# KiCad board Smart LED WS2812B Ring7.kicad_pcb (continued)
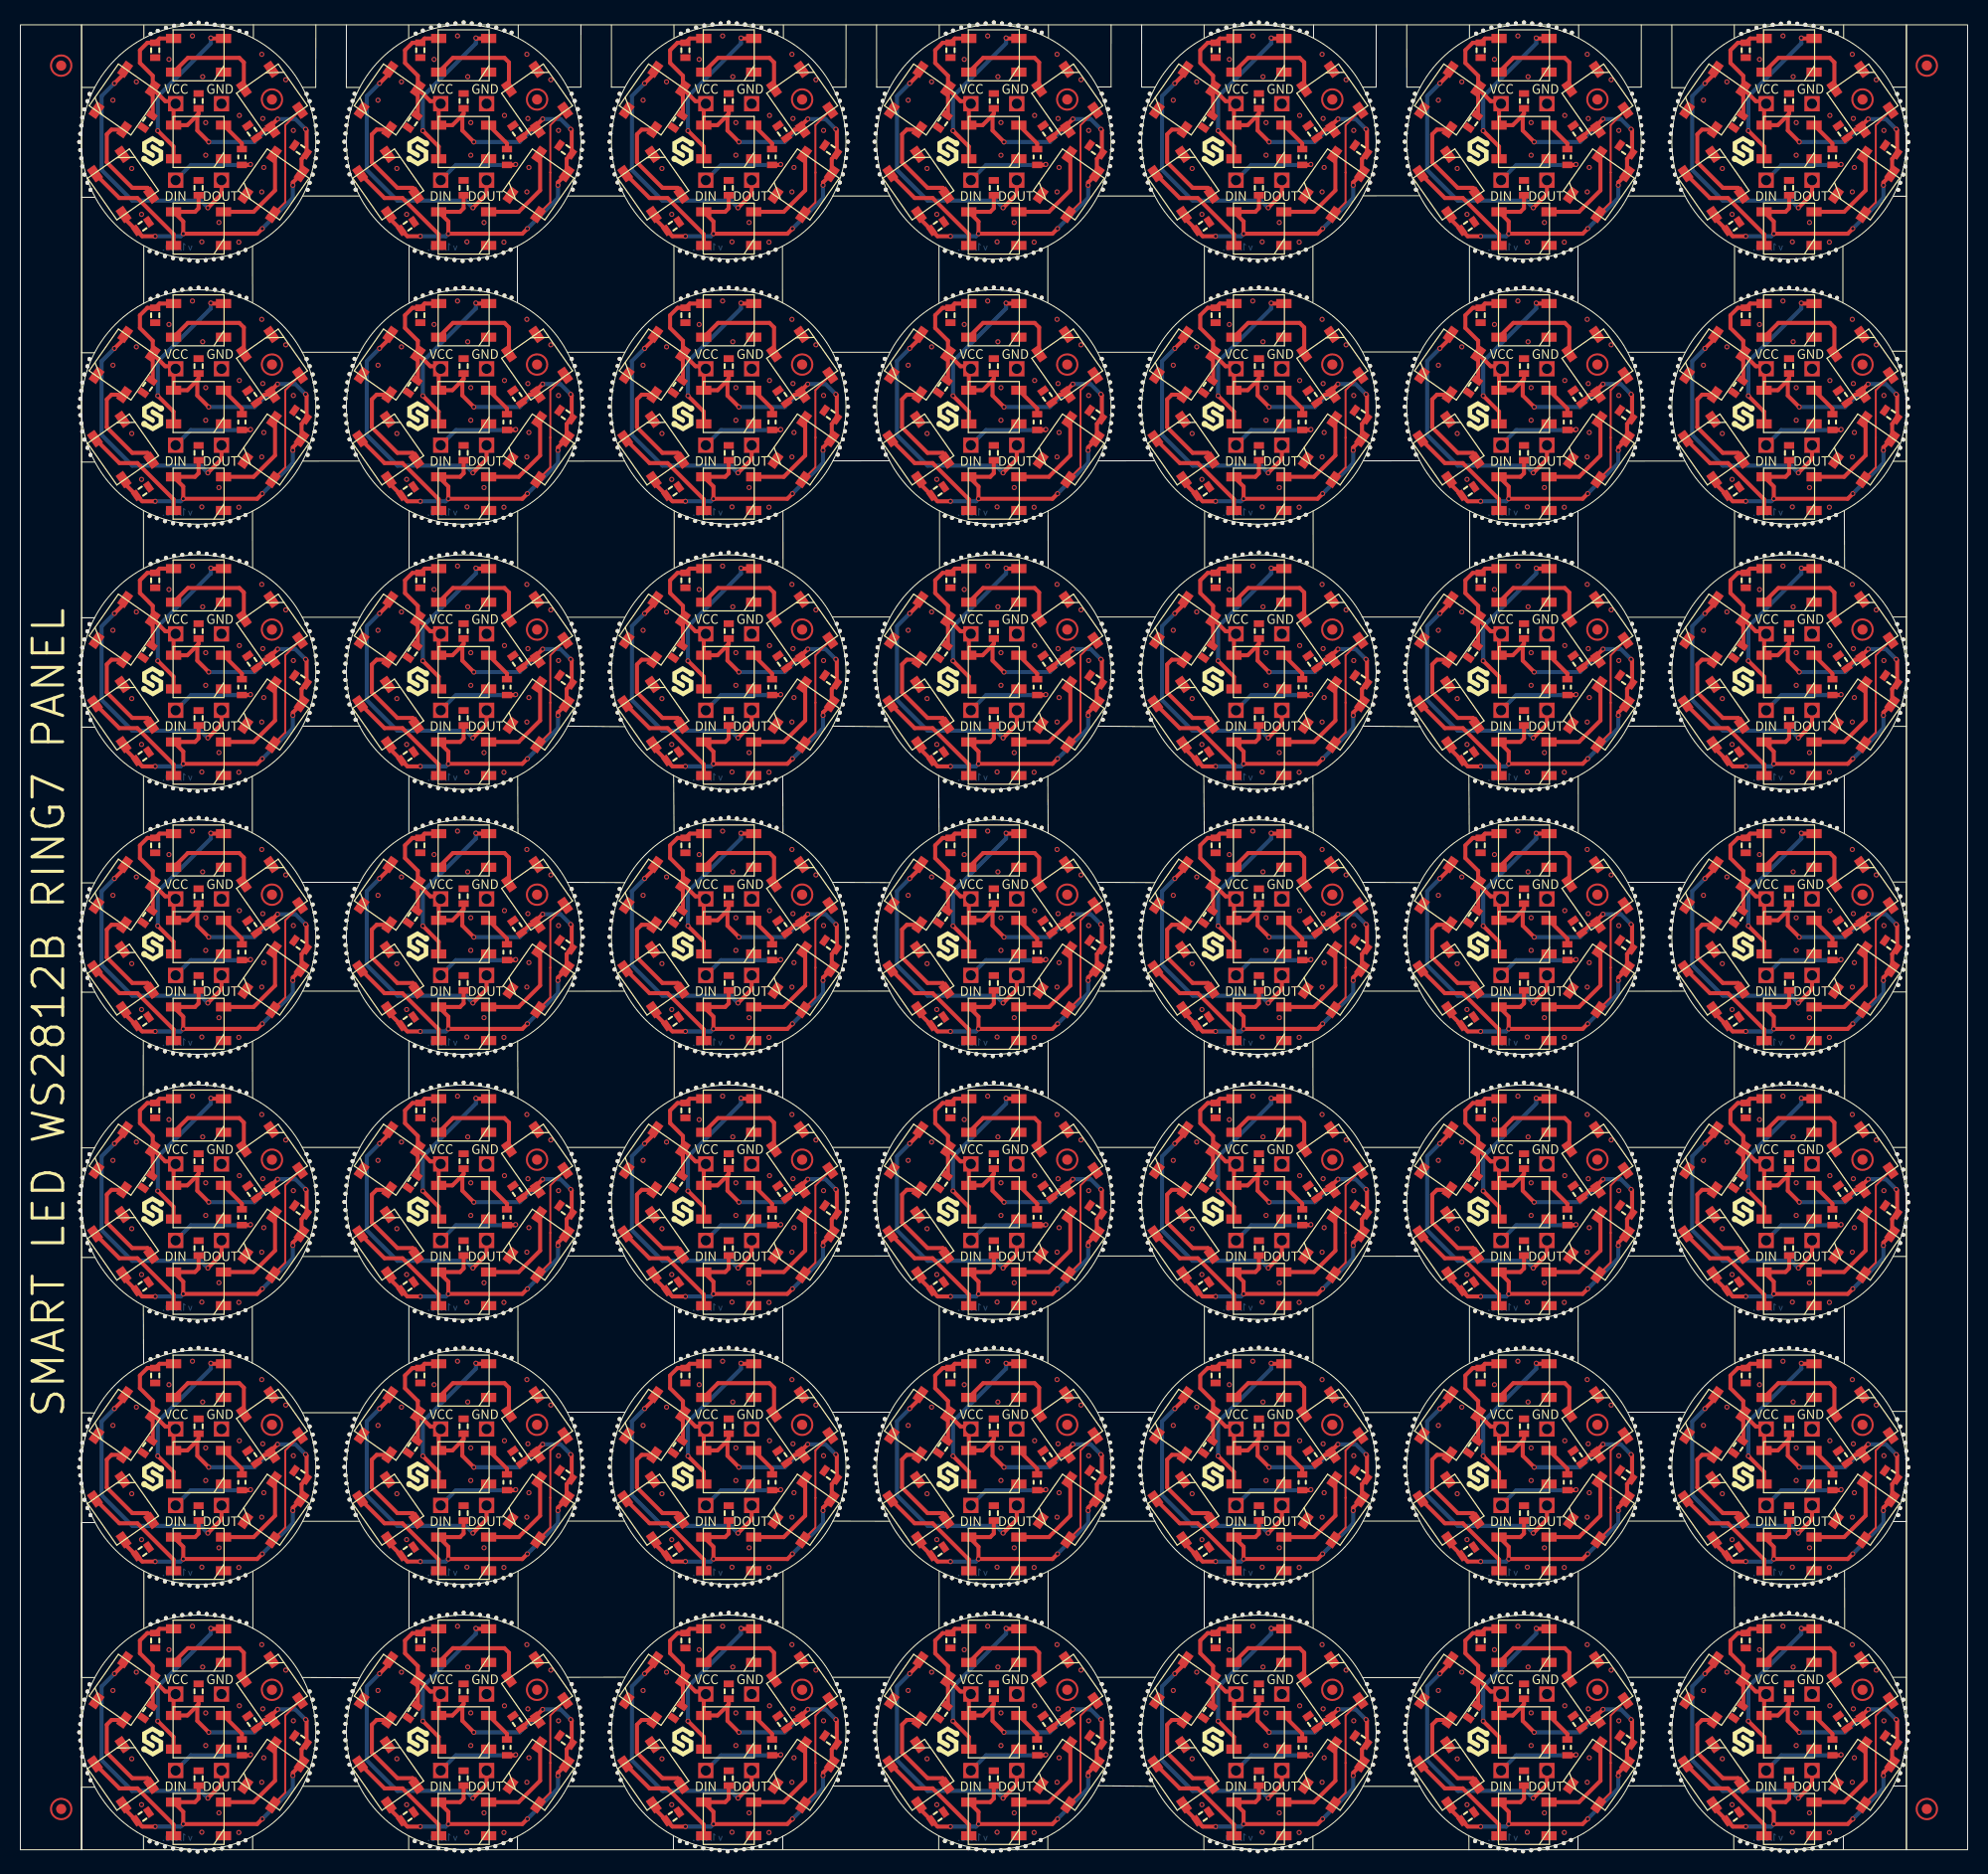
[diagram p0: board, top side]
## Placement (name value [footprint] x y rotation side) (continued)
LED7#5  WS2812B  [WS2812B LED#2]  88.22 15.7 235 top
LED7#6  WS2812B  [WS2812B LED#2]  10.22 119.7 235 top
LED7#7  WS2812B  [WS2812B LED#2]  166.22 145.7 235 top
LED7#8  WS2812B  [WS2812B LED#2]  88.22 145.7 235 top
LED7#9  WS2812B  [WS2812B LED#2]  88.22 67.7 235 top
LED7#10  WS2812B  [WS2812B LED#2]  10.22 15.7 235 top
LED7#11  WS2812B  [WS2812B LED#2]  166.22 119.7 235 top
LED7#12  WS2812B  [WS2812B LED#2]  140.22 41.7 235 top
LED7#13  WS2812B  [WS2812B LED#2]  62.22 15.7 235 top
LED7#14  WS2812B  [WS2812B LED#2]  140.22 119.7 235 top
LED7#15  WS2812B  [WS2812B LED#2]  140.22 171.7 235 top
LED7#16  WS2812B  [WS2812B LED#2]  36.22 119.7 235 top
LED7#17  WS2812B  [WS2812B LED#2]  10.22 145.7 235 top
LED7#18  WS2812B  [WS2812B LED#2]  166.22 15.7 235 top
LED7#19  WS2812B  [WS2812B LED#2]  10.22 171.7 235 top
LED7#20  WS2812B  [WS2812B LED#2]  114.22 93.7 235 top
LED7#21  WS2812B  [WS2812B LED#2]  140.22 15.7 235 top
LED7#22  WS2812B  [WS2812B LED#2]  36.22 15.7 235 top
LED7#23  WS2812B  [WS2812B LED#2]  114.22 145.7 235 top
LED7#24  WS2812B  [WS2812B LED#2]  166.22 93.7 235 top
LED7#25  WS2812B  [WS2812B LED#2]  10.22 93.7 235 top
LED7#26  WS2812B  [WS2812B LED#2]  62.22 93.7 235 top
LED7#27  WS2812B  [WS2812B LED#2]  88.22 93.7 235 top
LED7#28  WS2812B  [WS2812B LED#2]  140.22 93.7 235 top
LED7#29  WS2812B  [WS2812B LED#2]  88.22 119.7 235 top
LED7#30  WS2812B  [WS2812B LED#2]  140.22 145.7 235 top
LED7#31  WS2812B  [WS2812B LED#2]  62.22 119.7 235 top
LED7#32  WS2812B  [WS2812B LED#2]  62.22 171.7 235 top
LED7#33  WS2812B  [WS2812B LED#2]  114.22 15.7 235 top
LED7#34  WS2812B  [WS2812B LED#2]  166.22 67.7 235 top
LED7#35  WS2812B  [WS2812B LED#2]  62.22 67.7 235 top
LED7#36  WS2812B  [WS2812B LED#2]  10.22 41.7 235 top
LED7#37  WS2812B  [WS2812B LED#2]  114.22 119.7 235 top
LED7#38  WS2812B  [WS2812B LED#2]  10.22 67.7 235 top
LED7#39  WS2812B  [WS2812B LED#2]  62.22 145.7 235 top
LED7#40  WS2812B  [WS2812B LED#2]  62.22 41.7 235 top
LED7#41  WS2812B  [WS2812B LED#2]  36.22 67.7 235 top
LED7#42  WS2812B  [WS2812B LED#2]  114.22 67.7 235 top
LED7#43  WS2812B  [WS2812B LED#2]  114.22 41.7 235 top
LED7#44  WS2812B  [WS2812B LED#2]  88.22 41.7 235 top
LED7#45  WS2812B  [WS2812B LED#2]  36.22 93.7 235 top
LED7#46  WS2812B  [WS2812B LED#2]  36.22 41.7 235 top
LED7#47  WS2812B  [WS2812B LED#2]  36.22 171.7 235 top
LED7#48  WS2812B  [WS2812B LED#2]  36.22 145.7 235 top
LED7#49  WS2812B  [WS2812B LED#2]  166.22 171.7 235 top
PAD1  -  [PAD_2x1.5]  149.72 15.53 180 bottom
PAD1#2  -  [PAD_2x1.5]  123.72 119.53 180 bottom
PAD1#3  -  [PAD_2x1.5]  175.72 145.53 180 bottom
PAD1#4  -  [PAD_2x1.5]  19.72 15.53 180 bottom
PAD1#5  -  [PAD_2x1.5]  19.72 67.53 180 bottom
PAD1#6  -  [PAD_2x1.5]  175.72 67.53 180 bottom
PAD1#7  -  [PAD_2x1.5]  71.72 119.53 180 bottom
PAD1#8  -  [PAD_2x1.5]  175.72 93.53 180 bottom
PAD1#9  -  [PAD_2x1.5]  19.72 171.53 180 bottom
PAD1#10  -  [PAD_2x1.5]  149.72 145.53 180 bottom
PAD1#11  -  [PAD_2x1.5]  123.72 171.53 180 bottom
PAD1#12  -  [PAD_2x1.5]  97.72 171.53 180 bottom
PAD1#13  -  [PAD_2x1.5]  45.72 67.53 180 bottom
PAD1#14  -  [PAD_2x1.5]  45.72 15.53 180 bottom
PAD1#15  -  [PAD_2x1.5]  71.72 145.53 180 bottom
PAD1#16  -  [PAD_2x1.5]  45.72 93.53 180 bottom
PAD1#17  -  [PAD_2x1.5]  97.72 67.53 180 bottom
PAD1#18  -  [PAD_2x1.5]  175.72 119.53 180 bottom
PAD1#19  -  [PAD_2x1.5]  71.72 171.53 180 bottom
PAD1#20  -  [PAD_2x1.5]  71.72 15.53 180 bottom
PAD1#21  -  [PAD_2x1.5]  19.72 119.53 180 bottom
PAD1#22  -  [PAD_2x1.5]  175.72 171.53 180 bottom
PAD1#23  -  [PAD_2x1.5]  123.72 15.53 180 bottom
PAD1#24  -  [PAD_2x1.5]  19.72 93.53 180 bottom
PAD1#25  -  [PAD_2x1.5]  149.72 171.53 180 bottom
PAD1#26  -  [PAD_2x1.5]  45.72 145.53 180 bottom
PAD1#27  -  [PAD_2x1.5]  19.72 145.53 180 bottom
PAD1#28  -  [PAD_2x1.5]  97.72 145.53 180 bottom
PAD1#29  -  [PAD_2x1.5]  45.72 171.53 180 bottom
PAD1#30  -  [PAD_2x1.5]  71.72 67.53 180 bottom
PAD1#31  -  [PAD_2x1.5]  45.72 119.53 180 bottom
PAD1#32  -  [PAD_2x1.5]  175.72 41.53 180 bottom
PAD1#33  -  [PAD_2x1.5]  149.72 41.53 180 bottom
PAD1#34  -  [PAD_2x1.5]  97.72 93.53 180 bottom
PAD1#35  -  [PAD_2x1.5]  19.72 41.53 180 bottom
PAD1#36  -  [PAD_2x1.5]  71.72 41.53 180 bottom
PAD1#37  -  [PAD_2x1.5]  123.72 41.53 180 bottom
PAD1#38  -  [PAD_2x1.5]  149.72 119.53 180 bottom
PAD1#39  -  [PAD_2x1.5]  123.72 93.53 180 bottom
PAD1#40  -  [PAD_2x1.5]  97.72 41.53 180 bottom
PAD1#41  -  [PAD_2x1.5]  123.72 145.53 180 bottom
PAD1#42  -  [PAD_2x1.5]  123.72 67.53 180 bottom
PAD1#43  -  [PAD_2x1.5]  71.72 93.53 180 bottom
PAD1#44  -  [PAD_2x1.5]  97.72 15.53 180 bottom
PAD1#45  -  [PAD_2x1.5]  45.72 41.53 180 bottom
PAD1#46  -  [PAD_2x1.5]  175.72 15.53 180 bottom
PAD1#47  -  [PAD_2x1.5]  97.72 119.53 180 bottom
PAD1#48  -  [PAD_2x1.5]  149.72 93.53 180 bottom
PAD1#49  -  [PAD_2x1.5]  149.72 67.53 180 bottom
PAD2  PAD_2x1.5  [PAD_2x1.5#2]  67.22 111.53 0 top
PAD2#2  PAD_2x1.5  [PAD_2x1.5#2]  15.22 7.53 0 top
PAD2#3  PAD_2x1.5  [PAD_2x1.5#2]  41.22 163.53 0 top
PAD2#4  PAD_2x1.5  [PAD_2x1.5#2]  67.22 85.53 0 top
PAD2#5  PAD_2x1.5  [PAD_2x1.5#2]  67.22 163.53 0 top
PAD2#6  PAD_2x1.5  [PAD_2x1.5#2]  15.22 59.53 0 top
PAD2#7  PAD_2x1.5  [PAD_2x1.5#2]  41.22 137.53 0 top
PAD2#8  PAD_2x1.5  [PAD_2x1.5#2]  93.22 33.53 0 top
PAD2#9  PAD_2x1.5  [PAD_2x1.5#2]  145.22 7.53 0 top
PAD2#10  PAD_2x1.5  [PAD_2x1.5#2]  93.22 7.53 0 top
PAD2#11  PAD_2x1.5  [PAD_2x1.5#2]  15.22 111.53 0 top
PAD2#12  PAD_2x1.5  [PAD_2x1.5#2]  145.22 137.53 0 top
PAD2#13  PAD_2x1.5  [PAD_2x1.5#2]  67.22 7.53 0 top
PAD2#14  PAD_2x1.5  [PAD_2x1.5#2]  119.22 33.53 0 top
PAD2#15  PAD_2x1.5  [PAD_2x1.5#2]  41.22 59.53 0 top
PAD2#16  PAD_2x1.5  [PAD_2x1.5#2]  171.22 7.53 0 top
PAD2#17  PAD_2x1.5  [PAD_2x1.5#2]  15.22 85.53 0 top
PAD2#18  PAD_2x1.5  [PAD_2x1.5#2]  93.22 85.53 0 top
PAD2#19  PAD_2x1.5  [PAD_2x1.5#2]  145.22 33.53 0 top
PAD2#20  PAD_2x1.5  [PAD_2x1.5#2]  93.22 59.53 0 top
PAD2#21  PAD_2x1.5  [PAD_2x1.5#2]  119.22 85.53 0 top
PAD2#22  PAD_2x1.5  [PAD_2x1.5#2]  93.22 163.53 0 top
PAD2#23  PAD_2x1.5  [PAD_2x1.5#2]  15.22 163.53 0 top
PAD2#24  PAD_2x1.5  [PAD_2x1.5#2]  119.22 137.53 0 top
PAD2#25  PAD_2x1.5  [PAD_2x1.5#2]  171.22 33.53 0 top
PAD2#26  PAD_2x1.5  [PAD_2x1.5#2]  171.22 59.53 0 top
PAD2#27  PAD_2x1.5  [PAD_2x1.5#2]  145.22 163.53 0 top
PAD2#28  PAD_2x1.5  [PAD_2x1.5#2]  145.22 111.53 0 top
PAD2#29  PAD_2x1.5  [PAD_2x1.5#2]  67.22 137.53 0 top
PAD2#30  PAD_2x1.5  [PAD_2x1.5#2]  41.22 33.53 0 top
PAD2#31  PAD_2x1.5  [PAD_2x1.5#2]  41.22 111.53 0 top
PAD2#32  PAD_2x1.5  [PAD_2x1.5#2]  93.22 111.53 0 top
PAD2#33  PAD_2x1.5  [PAD_2x1.5#2]  119.22 7.53 0 top
PAD2#34  PAD_2x1.5  [PAD_2x1.5#2]  119.22 111.53 0 top
PAD2#35  PAD_2x1.5  [PAD_2x1.5#2]  15.22 33.53 0 top
PAD2#36  PAD_2x1.5  [PAD_2x1.5#2]  145.22 59.53 0 top
PAD2#37  PAD_2x1.5  [PAD_2x1.5#2]  171.22 111.53 0 top
PAD2#38  PAD_2x1.5  [PAD_2x1.5#2]  41.22 85.53 0 top
PAD2#39  PAD_2x1.5  [PAD_2x1.5#2]  67.22 33.53 0 top
PAD2#40  PAD_2x1.5  [PAD_2x1.5#2]  15.22 137.53 0 top
PAD2#41  PAD_2x1.5  [PAD_2x1.5#2]  145.22 85.53 0 top
PAD2#42  PAD_2x1.5  [PAD_2x1.5#2]  119.22 59.53 0 top
PAD2#43  PAD_2x1.5  [PAD_2x1.5#2]  93.22 137.53 0 top
PAD2#44  PAD_2x1.5  [PAD_2x1.5#2]  119.22 163.53 0 top
PAD2#45  PAD_2x1.5  [PAD_2x1.5#2]  171.22 163.53 0 top
PAD2#46  PAD_2x1.5  [PAD_2x1.5#2]  171.22 137.53 0 top
PAD2#47  PAD_2x1.5  [PAD_2x1.5#2]  171.22 85.53 0 top
PAD2#48  PAD_2x1.5  [PAD_2x1.5#2]  41.22 7.53 0 top
PAD2#49  PAD_2x1.5  [PAD_2x1.5#2]  67.22 59.53 0 top
PAD3  -  [PAD_2x1.5]  93.22 41.53 0 top
PAD3#2  -  [PAD_2x1.5]  171.22 93.53 0 top
PAD3#3  -  [PAD_2x1.5]  15.22 119.53 0 top
PAD3#4  -  [PAD_2x1.5]  15.22 171.53 0 top
PAD3#5  -  [PAD_2x1.5]  41.22 41.53 0 top
PAD3#6  -  [PAD_2x1.5]  93.22 93.53 0 top
PAD3#7  -  [PAD_2x1.5]  171.22 145.53 0 top
PAD3#8  -  [PAD_2x1.5]  67.22 119.53 0 top
PAD3#9  -  [PAD_2x1.5]  145.22 119.53 0 top
PAD3#10  -  [PAD_2x1.5]  67.22 15.53 0 top
PAD3#11  -  [PAD_2x1.5]  93.22 171.53 0 top
PAD3#12  -  [PAD_2x1.5]  93.22 119.53 0 top
PAD3#13  -  [PAD_2x1.5]  93.22 67.53 0 top
PAD3#14  -  [PAD_2x1.5]  145.22 171.53 0 top
PAD3#15  -  [PAD_2x1.5]  67.22 41.53 0 top
PAD3#16  -  [PAD_2x1.5]  145.22 15.53 0 top
PAD3#17  -  [PAD_2x1.5]  145.22 145.53 0 top
PAD3#18  -  [PAD_2x1.5]  41.22 145.53 0 top
PAD3#19  -  [PAD_2x1.5]  171.22 67.53 0 top
PAD3#20  -  [PAD_2x1.5]  67.22 171.53 0 top
PAD3#21  -  [PAD_2x1.5]  119.22 145.53 0 top
PAD3#22  -  [PAD_2x1.5]  67.22 145.53 0 top
PAD3#23  -  [PAD_2x1.5]  119.22 93.53 0 top
PAD3#24  -  [PAD_2x1.5]  15.22 15.53 0 top
PAD3#25  -  [PAD_2x1.5]  145.22 67.53 0 top
PAD3#26  -  [PAD_2x1.5]  145.22 93.53 0 top
PAD3#27  -  [PAD_2x1.5]  171.22 171.53 0 top
PAD3#28  -  [PAD_2x1.5]  93.22 15.53 0 top
PAD3#29  -  [PAD_2x1.5]  67.22 93.53 0 top
PAD3#30  -  [PAD_2x1.5]  119.22 15.53 0 top
PAD3#31  -  [PAD_2x1.5]  41.22 15.53 0 top
PAD3#32  -  [PAD_2x1.5]  67.22 67.53 0 top
PAD3#33  -  [PAD_2x1.5]  41.22 119.53 0 top
PAD3#34  -  [PAD_2x1.5]  15.22 145.53 0 top
PAD3#35  -  [PAD_2x1.5]  119.22 41.53 0 top
PAD3#36  -  [PAD_2x1.5]  15.22 93.53 0 top
PAD3#37  -  [PAD_2x1.5]  41.22 67.53 0 top
PAD3#38  -  [PAD_2x1.5]  15.22 67.53 0 top
PAD3#39  -  [PAD_2x1.5]  15.22 41.53 0 top
PAD3#40  -  [PAD_2x1.5]  41.22 171.53 0 top
PAD3#41  -  [PAD_2x1.5]  93.22 145.53 0 top
PAD3#42  -  [PAD_2x1.5]  171.22 119.53 0 top
PAD3#43  -  [PAD_2x1.5]  119.22 119.53 0 top
PAD3#44  -  [PAD_2x1.5]  119.22 171.53 0 top
PAD3#45  -  [PAD_2x1.5]  171.22 41.53 0 top
PAD3#46  -  [PAD_2x1.5]  145.22 41.53 0 top
PAD3#47  -  [PAD_2x1.5]  171.22 15.53 0 top
PAD3#48  -  [PAD_2x1.5]  41.22 93.53 0 top
PAD3#49  -  [PAD_2x1.5]  119.22 67.53 0 top
PAD4  -  [PAD_2x1.5]  71.72 67.53 0 top
PAD4#2  -  [PAD_2x1.5]  71.72 15.53 0 top
PAD4#3  -  [PAD_2x1.5]  97.72 171.53 0 top
PAD4#4  -  [PAD_2x1.5]  97.72 145.53 0 top
PAD4#5  -  [PAD_2x1.5]  19.72 67.53 0 top
PAD4#6  -  [PAD_2x1.5]  123.72 67.53 0 top
PAD4#7  -  [PAD_2x1.5]  149.72 145.53 0 top
PAD4#8  -  [PAD_2x1.5]  123.72 15.53 0 top
PAD4#9  -  [PAD_2x1.5]  123.72 93.53 0 top
PAD4#10  -  [PAD_2x1.5]  149.72 93.53 0 top
PAD4#11  -  [PAD_2x1.5]  45.72 67.53 0 top
PAD4#12  -  [PAD_2x1.5]  97.72 67.53 0 top
PAD4#13  -  [PAD_2x1.5]  175.72 93.53 0 top
PAD4#14  -  [PAD_2x1.5]  19.72 145.53 0 top
PAD4#15  -  [PAD_2x1.5]  175.72 67.53 0 top
PAD4#16  -  [PAD_2x1.5]  149.72 15.53 0 top
PAD4#17  -  [PAD_2x1.5]  71.72 119.53 0 top
PAD4#18  -  [PAD_2x1.5]  175.72 15.53 0 top
PAD4#19  -  [PAD_2x1.5]  175.72 119.53 0 top
PAD4#20  -  [PAD_2x1.5]  19.72 171.53 0 top
PAD4#21  -  [PAD_2x1.5]  97.72 41.53 0 top
PAD4#22  -  [PAD_2x1.5]  45.72 93.53 0 top
PAD4#23  -  [PAD_2x1.5]  19.72 41.53 0 top
PAD4#24  -  [PAD_2x1.5]  175.72 41.53 0 top
PAD4#25  -  [PAD_2x1.5]  97.72 15.53 0 top
PAD4#26  -  [PAD_2x1.5]  149.72 171.53 0 top
PAD4#27  -  [PAD_2x1.5]  45.72 41.53 0 top
PAD4#28  -  [PAD_2x1.5]  71.72 93.53 0 top
PAD4#29  -  [PAD_2x1.5]  123.72 41.53 0 top
PAD4#30  -  [PAD_2x1.5]  123.72 119.53 0 top
PAD4#31  -  [PAD_2x1.5]  19.72 93.53 0 top
PAD4#32  -  [PAD_2x1.5]  71.72 145.53 0 top
PAD4#33  -  [PAD_2x1.5]  149.72 67.53 0 top
PAD4#34  -  [PAD_2x1.5]  97.72 93.53 0 top
PAD4#35  -  [PAD_2x1.5]  45.72 119.53 0 top
PAD4#36  -  [PAD_2x1.5]  97.72 119.53 0 top
PAD4#37  -  [PAD_2x1.5]  175.72 145.53 0 top
PAD4#38  -  [PAD_2x1.5]  123.72 145.53 0 top
PAD4#39  -  [PAD_2x1.5]  123.72 171.53 0 top
PAD4#40  -  [PAD_2x1.5]  19.72 15.53 0 top
PAD4#41  -  [PAD_2x1.5]  45.72 171.53 0 top
PAD4#42  -  [PAD_2x1.5]  45.72 145.53 0 top
PAD4#43  -  [PAD_2x1.5]  19.72 119.53 0 top
PAD4#44  -  [PAD_2x1.5]  45.72 15.53 0 top
PAD4#45  -  [PAD_2x1.5]  149.72 41.53 0 top
PAD4#46  -  [PAD_2x1.5]  175.72 171.53 0 top
PAD4#47  -  [PAD_2x1.5]  71.72 41.53 0 top
PAD4#48  -  [PAD_2x1.5]  149.72 119.53 0 top
PAD4#49  -  [PAD_2x1.5]  71.72 171.53 0 top
PAD5  PAD_2x1.5  [PAD_2x1.5#2]  97.72 85.53 0 top
PAD5#2  PAD_2x1.5  [PAD_2x1.5#2]  19.72 111.53 0 top
PAD5#3  PAD_2x1.5  [PAD_2x1.5#2]  149.72 163.53 0 top
PAD5#4  PAD_2x1.5  [PAD_2x1.5#2]  71.72 7.53 0 top
PAD5#5  PAD_2x1.5  [PAD_2x1.5#2]  71.72 85.53 0 top
PAD5#6  PAD_2x1.5  [PAD_2x1.5#2]  45.72 59.53 0 top
PAD5#7  PAD_2x1.5  [PAD_2x1.5#2]  71.72 163.53 0 top
PAD5#8  PAD_2x1.5  [PAD_2x1.5#2]  45.72 137.53 0 top
PAD5#9  PAD_2x1.5  [PAD_2x1.5#2]  71.72 59.53 0 top
PAD5#10  PAD_2x1.5  [PAD_2x1.5#2]  149.72 7.53 0 top
PAD5#11  PAD_2x1.5  [PAD_2x1.5#2]  149.72 111.53 0 top
PAD5#12  PAD_2x1.5  [PAD_2x1.5#2]  175.72 33.53 0 top
PAD5#13  PAD_2x1.5  [PAD_2x1.5#2]  19.72 33.53 0 top
PAD5#14  PAD_2x1.5  [PAD_2x1.5#2]  45.72 33.53 0 top
PAD5#15  PAD_2x1.5  [PAD_2x1.5#2]  19.72 59.53 0 top
PAD5#16  PAD_2x1.5  [PAD_2x1.5#2]  123.72 33.53 0 top
PAD5#17  PAD_2x1.5  [PAD_2x1.5#2]  71.72 111.53 0 top
PAD5#18  PAD_2x1.5  [PAD_2x1.5#2]  97.72 59.53 0 top
PAD5#19  PAD_2x1.5  [PAD_2x1.5#2]  97.72 137.53 0 top
PAD5#20  PAD_2x1.5  [PAD_2x1.5#2]  123.72 85.53 0 top
PAD5#21  PAD_2x1.5  [PAD_2x1.5#2]  175.72 137.53 0 top
PAD5#22  PAD_2x1.5  [PAD_2x1.5#2]  71.72 137.53 0 top
PAD5#23  PAD_2x1.5  [PAD_2x1.5#2]  19.72 137.53 0 top
PAD5#24  PAD_2x1.5  [PAD_2x1.5#2]  175.72 59.53 0 top
PAD5#25  PAD_2x1.5  [PAD_2x1.5#2]  175.72 7.53 0 top
PAD5#26  PAD_2x1.5  [PAD_2x1.5#2]  71.72 33.53 0 top
PAD5#27  PAD_2x1.5  [PAD_2x1.5#2]  123.72 111.53 0 top
PAD5#28  PAD_2x1.5  [PAD_2x1.5#2]  45.72 111.53 0 top
PAD5#29  PAD_2x1.5  [PAD_2x1.5#2]  123.72 59.53 0 top
PAD5#30  PAD_2x1.5  [PAD_2x1.5#2]  19.72 85.53 0 top
PAD5#31  PAD_2x1.5  [PAD_2x1.5#2]  123.72 163.53 0 top
PAD5#32  PAD_2x1.5  [PAD_2x1.5#2]  149.72 137.53 0 top
PAD5#33  PAD_2x1.5  [PAD_2x1.5#2]  175.72 111.53 0 top
PAD5#34  PAD_2x1.5  [PAD_2x1.5#2]  45.72 7.53 0 top
PAD5#35  PAD_2x1.5  [PAD_2x1.5#2]  97.72 33.53 0 top
PAD5#36  PAD_2x1.5  [PAD_2x1.5#2]  97.72 163.53 0 top
PAD5#37  PAD_2x1.5  [PAD_2x1.5#2]  175.72 85.53 0 top
PAD5#38  PAD_2x1.5  [PAD_2x1.5#2]  19.72 163.53 0 top
PAD5#39  PAD_2x1.5  [PAD_2x1.5#2]  149.72 59.53 0 top
PAD5#40  PAD_2x1.5  [PAD_2x1.5#2]  97.72 111.53 0 top
PAD5#41  PAD_2x1.5  [PAD_2x1.5#2]  45.72 85.53 0 top
PAD5#42  PAD_2x1.5  [PAD_2x1.5#2]  123.72 7.53 0 top
PAD5#43  PAD_2x1.5  [PAD_2x1.5#2]  149.72 85.53 0 top
PAD5#44  PAD_2x1.5  [PAD_2x1.5#2]  45.72 163.53 0 top
PAD5#45  PAD_2x1.5  [PAD_2x1.5#2]  19.72 7.53 0 top
PAD5#46  PAD_2x1.5  [PAD_2x1.5#2]  175.72 163.53 0 top
PAD5#47  PAD_2x1.5  [PAD_2x1.5#2]  149.72 33.53 0 top
PAD5#48  PAD_2x1.5  [PAD_2x1.5#2]  123.72 137.53 0 top
PAD5#49  PAD_2x1.5  [PAD_2x1.5#2]  97.72 7.53 0 top
PAD6  -  [PAD_2x1.5]  119.22 93.53 180 bottom
PAD6#2  -  [PAD_2x1.5]  119.22 67.53 180 bottom
PAD6#3  -  [PAD_2x1.5]  15.22 119.53 180 bottom
PAD6#4  -  [PAD_2x1.5]  145.22 67.53 180 bottom
PAD6#5  -  [PAD_2x1.5]  171.22 15.53 180 bottom
PAD6#6  -  [PAD_2x1.5]  67.22 171.53 180 bottom
PAD6#7  -  [PAD_2x1.5]  171.22 67.53 180 bottom
PAD6#8  -  [PAD_2x1.5]  119.22 145.53 180 bottom
PAD6#9  -  [PAD_2x1.5]  41.22 171.53 180 bottom
PAD6#10  -  [PAD_2x1.5]  41.22 41.53 180 bottom
PAD6#11  -  [PAD_2x1.5]  67.22 67.53 180 bottom
PAD6#12  -  [PAD_2x1.5]  93.22 171.53 180 bottom
PAD6#13  -  [PAD_2x1.5]  41.22 119.53 180 bottom
PAD6#14  -  [PAD_2x1.5]  119.22 119.53 180 bottom
PAD6#15  -  [PAD_2x1.5]  15.22 93.53 180 bottom
PAD6#16  -  [PAD_2x1.5]  41.22 67.53 180 bottom
PAD6#17  -  [PAD_2x1.5]  171.22 119.53 180 bottom
PAD6#18  -  [PAD_2x1.5]  119.22 171.53 180 bottom
PAD6#19  -  [PAD_2x1.5]  15.22 171.53 180 bottom
PAD6#20  -  [PAD_2x1.5]  93.22 41.53 180 bottom
PAD6#21  -  [PAD_2x1.5]  145.22 119.53 180 bottom
PAD6#22  -  [PAD_2x1.5]  119.22 41.53 180 bottom
PAD6#23  -  [PAD_2x1.5]  145.22 41.53 180 bottom
PAD6#24  -  [PAD_2x1.5]  41.22 145.53 180 bottom
PAD6#25  -  [PAD_2x1.5]  67.22 41.53 180 bottom
PAD6#26  -  [PAD_2x1.5]  171.22 145.53 180 bottom
PAD6#27  -  [PAD_2x1.5]  67.22 119.53 180 bottom
PAD6#28  -  [PAD_2x1.5]  67.22 93.53 180 bottom
PAD6#29  -  [PAD_2x1.5]  93.22 145.53 180 bottom
PAD6#30  -  [PAD_2x1.5]  171.22 93.53 180 bottom
PAD6#31  -  [PAD_2x1.5]  171.22 171.53 180 bottom
PAD6#32  -  [PAD_2x1.5]  119.22 15.53 180 bottom
PAD6#33  -  [PAD_2x1.5]  145.22 145.53 180 bottom
PAD6#34  -  [PAD_2x1.5]  93.22 93.53 180 bottom
PAD6#35  -  [PAD_2x1.5]  15.22 41.53 180 bottom
PAD6#36  -  [PAD_2x1.5]  171.22 41.53 180 bottom
PAD6#37  -  [PAD_2x1.5]  93.22 67.53 180 bottom
PAD6#38  -  [PAD_2x1.5]  67.22 15.53 180 bottom
PAD6#39  -  [PAD_2x1.5]  93.22 15.53 180 bottom
PAD6#40  -  [PAD_2x1.5]  41.22 93.53 180 bottom
PAD6#41  -  [PAD_2x1.5]  15.22 15.53 180 bottom
PAD6#42  -  [PAD_2x1.5]  15.22 145.53 180 bottom
PAD6#43  -  [PAD_2x1.5]  41.22 15.53 180 bottom
PAD6#44  -  [PAD_2x1.5]  15.22 67.53 180 bottom
PAD6#45  -  [PAD_2x1.5]  145.22 93.53 180 bottom
PAD6#46  -  [PAD_2x1.5]  145.22 171.53 180 bottom
PAD6#47  -  [PAD_2x1.5]  67.22 145.53 180 bottom
PAD6#48  -  [PAD_2x1.5]  93.22 119.53 180 bottom
PAD6#49  -  [PAD_2x1.5]  145.22 15.53 180 bottom
PAD7  PAD_2x1.5  [PAD_2x1.5#3]  41.22 137.78 180 bottom
PAD7#2  PAD_2x1.5  [PAD_2x1.5#3]  67.22 137.78 180 bottom
PAD7#3  PAD_2x1.5  [PAD_2x1.5#3]  41.22 85.78 180 bottom
PAD7#4  PAD_2x1.5  [PAD_2x1.5#3]  67.22 7.78 180 bottom
PAD7#5  PAD_2x1.5  [PAD_2x1.5#3]  119.22 137.78 180 bottom
PAD7#6  PAD_2x1.5  [PAD_2x1.5#3]  15.22 137.78 180 bottom
PAD7#7  PAD_2x1.5  [PAD_2x1.5#3]  119.22 85.78 180 bottom
PAD7#8  PAD_2x1.5  [PAD_2x1.5#3]  171.22 85.78 180 bottom
PAD7#9  PAD_2x1.5  [PAD_2x1.5#3]  171.22 111.78 180 bottom
PAD7#10  PAD_2x1.5  [PAD_2x1.5#3]  119.22 59.78 180 bottom
PAD7#11  PAD_2x1.5  [PAD_2x1.5#3]  145.22 59.78 180 bottom
PAD7#12  PAD_2x1.5  [PAD_2x1.5#3]  145.22 7.78 180 bottom
PAD7#13  PAD_2x1.5  [PAD_2x1.5#3]  119.22 7.78 180 bottom
PAD7#14  PAD_2x1.5  [PAD_2x1.5#3]  93.22 59.78 180 bottom
PAD7#15  PAD_2x1.5  [PAD_2x1.5#3]  93.22 7.78 180 bottom
PAD7#16  PAD_2x1.5  [PAD_2x1.5#3]  145.22 85.78 180 bottom
PAD7#17  PAD_2x1.5  [PAD_2x1.5#3]  41.22 163.78 180 bottom
PAD7#18  PAD_2x1.5  [PAD_2x1.5#3]  119.22 163.78 180 bottom
PAD7#19  PAD_2x1.5  [PAD_2x1.5#3]  67.22 111.78 180 bottom
PAD7#20  PAD_2x1.5  [PAD_2x1.5#3]  171.22 163.78 180 bottom
PAD7#21  PAD_2x1.5  [PAD_2x1.5#3]  93.22 137.78 180 bottom
PAD7#22  PAD_2x1.5  [PAD_2x1.5#3]  145.22 111.78 180 bottom
PAD7#23  PAD_2x1.5  [PAD_2x1.5#3]  15.22 33.78 180 bottom
PAD7#24  PAD_2x1.5  [PAD_2x1.5#3]  145.22 163.78 180 bottom
PAD7#25  PAD_2x1.5  [PAD_2x1.5#3]  15.22 111.78 180 bottom
PAD7#26  PAD_2x1.5  [PAD_2x1.5#3]  171.22 33.78 180 bottom
PAD7#27  PAD_2x1.5  [PAD_2x1.5#3]  171.22 59.78 180 bottom
PAD7#28  PAD_2x1.5  [PAD_2x1.5#3]  171.22 137.78 180 bottom
PAD7#29  PAD_2x1.5  [PAD_2x1.5#3]  41.22 111.78 180 bottom
PAD7#30  PAD_2x1.5  [PAD_2x1.5#3]  119.22 111.78 180 bottom
PAD7#31  PAD_2x1.5  [PAD_2x1.5#3]  93.22 33.78 180 bottom
PAD7#32  PAD_2x1.5  [PAD_2x1.5#3]  15.22 85.78 180 bottom
PAD7#33  PAD_2x1.5  [PAD_2x1.5#3]  145.22 33.78 180 bottom
PAD7#34  PAD_2x1.5  [PAD_2x1.5#3]  67.22 59.78 180 bottom
PAD7#35  PAD_2x1.5  [PAD_2x1.5#3]  171.22 7.78 180 bottom
PAD7#36  PAD_2x1.5  [PAD_2x1.5#3]  41.22 59.78 180 bottom
PAD7#37  PAD_2x1.5  [PAD_2x1.5#3]  41.22 7.78 180 bottom
PAD7#38  PAD_2x1.5  [PAD_2x1.5#3]  67.22 85.78 180 bottom
PAD7#39  PAD_2x1.5  [PAD_2x1.5#3]  15.22 7.78 180 bottom
PAD7#40  PAD_2x1.5  [PAD_2x1.5#3]  93.22 111.78 180 bottom
PAD7#41  PAD_2x1.5  [PAD_2x1.5#3]  93.22 163.78 180 bottom
PAD7#42  PAD_2x1.5  [PAD_2x1.5#3]  15.22 163.78 180 bottom
PAD7#43  PAD_2x1.5  [PAD_2x1.5#3]  67.22 33.78 180 bottom
PAD7#44  PAD_2x1.5  [PAD_2x1.5#3]  119.22 33.78 180 bottom
PAD7#45  PAD_2x1.5  [PAD_2x1.5#3]  41.22 33.78 180 bottom
PAD7#46  PAD_2x1.5  [PAD_2x1.5#3]  93.22 85.78 180 bottom
PAD7#47  PAD_2x1.5  [PAD_2x1.5#3]  67.22 163.78 180 bottom
PAD7#48  PAD_2x1.5  [PAD_2x1.5#3]  145.22 137.78 180 bottom
PAD7#49  PAD_2x1.5  [PAD_2x1.5#3]  15.22 59.78 180 bottom
PAD8  PAD_2x1.5  [PAD_2x1.5#2]  19.72 137.53 180 bottom
PAD8#2  PAD_2x1.5  [PAD_2x1.5#2]  71.72 33.53 180 bottom
PAD8#3  PAD_2x1.5  [PAD_2x1.5#2]  45.72 111.53 180 bottom
PAD8#4  PAD_2x1.5  [PAD_2x1.5#2]  175.72 111.53 180 bottom
PAD8#5  PAD_2x1.5  [PAD_2x1.5#2]  149.72 137.53 180 bottom
PAD8#6  PAD_2x1.5  [PAD_2x1.5#2]  123.72 59.53 180 bottom
PAD8#7  PAD_2x1.5  [PAD_2x1.5#2]  45.72 163.53 180 bottom
PAD8#8  PAD_2x1.5  [PAD_2x1.5#2]  45.72 7.53 180 bottom
PAD8#9  PAD_2x1.5  [PAD_2x1.5#2]  19.72 111.53 180 bottom
PAD8#10  PAD_2x1.5  [PAD_2x1.5#2]  71.72 137.53 180 bottom
PAD8#11  PAD_2x1.5  [PAD_2x1.5#2]  97.72 85.53 180 bottom
PAD8#12  PAD_2x1.5  [PAD_2x1.5#2]  149.72 111.53 180 bottom
PAD8#13  PAD_2x1.5  [PAD_2x1.5#2]  175.72 33.53 180 bottom
PAD8#14  PAD_2x1.5  [PAD_2x1.5#2]  97.72 33.53 180 bottom
PAD8#15  PAD_2x1.5  [PAD_2x1.5#2]  149.72 85.53 180 bottom
PAD8#16  PAD_2x1.5  [PAD_2x1.5#2]  97.72 111.53 180 bottom
PAD8#17  PAD_2x1.5  [PAD_2x1.5#2]  97.72 7.53 180 bottom
PAD8#18  PAD_2x1.5  [PAD_2x1.5#2]  175.72 85.53 180 bottom
PAD8#19  PAD_2x1.5  [PAD_2x1.5#2]  123.72 7.53 180 bottom
PAD8#20  PAD_2x1.5  [PAD_2x1.5#2]  19.72 7.53 180 bottom
PAD8#21  PAD_2x1.5  [PAD_2x1.5#2]  45.72 137.53 180 bottom
PAD8#22  PAD_2x1.5  [PAD_2x1.5#2]  175.72 163.53 180 bottom
PAD8#23  PAD_2x1.5  [PAD_2x1.5#2]  123.72 163.53 180 bottom
PAD8#24  PAD_2x1.5  [PAD_2x1.5#2]  19.72 85.53 180 bottom
PAD8#25  PAD_2x1.5  [PAD_2x1.5#2]  97.72 137.53 180 bottom
PAD8#26  PAD_2x1.5  [PAD_2x1.5#2]  123.72 85.53 180 bottom
PAD8#27  PAD_2x1.5  [PAD_2x1.5#2]  97.72 163.53 180 bottom
PAD8#28  PAD_2x1.5  [PAD_2x1.5#2]  175.72 59.53 180 bottom
PAD8#29  PAD_2x1.5  [PAD_2x1.5#2]  19.72 33.53 180 bottom
PAD8#30  PAD_2x1.5  [PAD_2x1.5#2]  71.72 59.53 180 bottom
PAD8#31  PAD_2x1.5  [PAD_2x1.5#2]  19.72 163.53 180 bottom
PAD8#32  PAD_2x1.5  [PAD_2x1.5#2]  175.72 137.53 180 bottom
PAD8#33  PAD_2x1.5  [PAD_2x1.5#2]  45.72 33.53 180 bottom
PAD8#34  PAD_2x1.5  [PAD_2x1.5#2]  97.72 59.53 180 bottom
PAD8#35  PAD_2x1.5  [PAD_2x1.5#2]  149.72 163.53 180 bottom
PAD8#36  PAD_2x1.5  [PAD_2x1.5#2]  45.72 85.53 180 bottom
PAD8#37  PAD_2x1.5  [PAD_2x1.5#2]  123.72 111.53 180 bottom
PAD8#38  PAD_2x1.5  [PAD_2x1.5#2]  175.72 7.53 180 bottom
PAD8#39  PAD_2x1.5  [PAD_2x1.5#2]  71.72 85.53 180 bottom
PAD8#40  PAD_2x1.5  [PAD_2x1.5#2]  71.72 7.53 180 bottom
PAD8#41  PAD_2x1.5  [PAD_2x1.5#2]  71.72 163.53 180 bottom
PAD8#42  PAD_2x1.5  [PAD_2x1.5#2]  71.72 111.53 180 bottom
PAD8#43  PAD_2x1.5  [PAD_2x1.5#2]  149.72 33.53 180 bottom
PAD8#44  PAD_2x1.5  [PAD_2x1.5#2]  45.72 59.53 180 bottom
PAD8#45  PAD_2x1.5  [PAD_2x1.5#2]  123.72 33.53 180 bottom
PAD8#46  PAD_2x1.5  [PAD_2x1.5#2]  149.72 59.53 180 bottom
PAD8#47  PAD_2x1.5  [PAD_2x1.5#2]  19.72 59.53 180 bottom
PAD8#48  PAD_2x1.5  [PAD_2x1.5#2]  149.72 7.53 180 bottom
PAD8#49  PAD_2x1.5  [PAD_2x1.5#2]  123.72 137.53 180 bottom
R1  100  [0603R]  177.72 88.06 270 top
R1#2  100  [0603R]  151.72 114.06 270 top
R1#3  100  [0603R]  151.72 36.06 270 top
R1#4  100  [0603R]  47.72 140.06 270 top
R1#5  100  [0603R]  21.72 62.06 270 top
R1#6  100  [0603R]  47.72 10.06 270 top
R1#7  100  [0603R]  177.72 166.06 270 top
R1#8  100  [0603R]  73.72 166.06 270 top
R1#9  100  [0603R]  125.72 114.06 270 top
R1#10  100  [0603R]  125.72 10.06 270 top
R1#11  100  [0603R]  177.72 140.06 270 top
R1#12  100  [0603R]  21.72 140.06 270 top
R1#13  100  [0603R]  99.72 140.06 270 top
R1#14  100  [0603R]  177.72 114.06 270 top
R1#15  100  [0603R]  47.72 62.06 270 top
R1#16  100  [0603R]  151.72 10.06 270 top
R1#17  100  [0603R]  47.72 36.06 270 top
R1#18  100  [0603R]  99.72 62.06 270 top
R1#19  100  [0603R]  73.72 88.06 270 top
R1#20  100  [0603R]  125.72 62.06 270 top
R1#21  100  [0603R]  99.72 88.06 270 top
R1#22  100  [0603R]  21.72 10.06 270 top
R1#23  100  [0603R]  99.72 114.06 270 top
R1#24  100  [0603R]  21.72 88.06 270 top
R1#25  100  [0603R]  73.72 10.06 270 top
R1#26  100  [0603R]  177.72 10.06 270 top
R1#27  100  [0603R]  73.72 140.06 270 top
R1#28  100  [0603R]  99.72 10.06 270 top
R1#29  100  [0603R]  21.72 166.06 270 top
R1#30  100  [0603R]  151.72 62.06 270 top
R1#31  100  [0603R]  125.72 140.06 270 top
R1#32  100  [0603R]  125.72 88.06 270 top
R1#33  100  [0603R]  47.72 88.06 270 top
R1#34  100  [0603R]  151.72 88.06 270 top
R1#35  100  [0603R]  151.72 140.06 270 top
R1#36  100  [0603R]  21.72 114.06 270 top
R1#37  100  [0603R]  99.72 166.06 270 top
R1#38  100  [0603R]  73.72 62.06 270 top
R1#39  100  [0603R]  177.72 62.06 270 top
R1#40  100  [0603R]  73.72 36.06 270 top
R1#41  100  [0603R]  151.72 166.06 270 top
R1#42  100  [0603R]  125.72 166.06 270 top
R1#43  100  [0603R]  73.72 114.06 270 top
R1#44  100  [0603R]  47.72 114.06 270 top
R1#45  100  [0603R]  47.72 166.06 270 top
R1#46  100  [0603R]  177.72 36.06 270 top
R1#47  100  [0603R]  99.72 36.06 270 top
R1#48  100  [0603R]  21.72 36.06 270 top
R1#49  100  [0603R]  125.72 36.06 270 top
REF**  -  [HOLE_0.5mm]  170.28 48.73 90 top
REF**#2  -  [HOLE_0.5mm]  41.78 26.06 270 top
REF**#3  -  [HOLE_0.5mm]  90.78 126.16 90 top
REF**#4  -  [HOLE_0.5mm]  58.28 138.36 180 top
REF**#5  -  [HOLE_0.5mm]  18.28 101.13 90 top
REF**#6  -  [HOLE_0.5mm]  12.78 100.13 90 top
REF**#7  -  [HOLE_0.5mm]  132.18 84.86 0 top
REF**#8  -  [HOLE_0.5mm]  12.78 178.13 90 top
REF**#9  -  [HOLE_0.5mm]  55.17 141.56 0 top
